# KiCad board ZVE.kicad_pcb (continued)
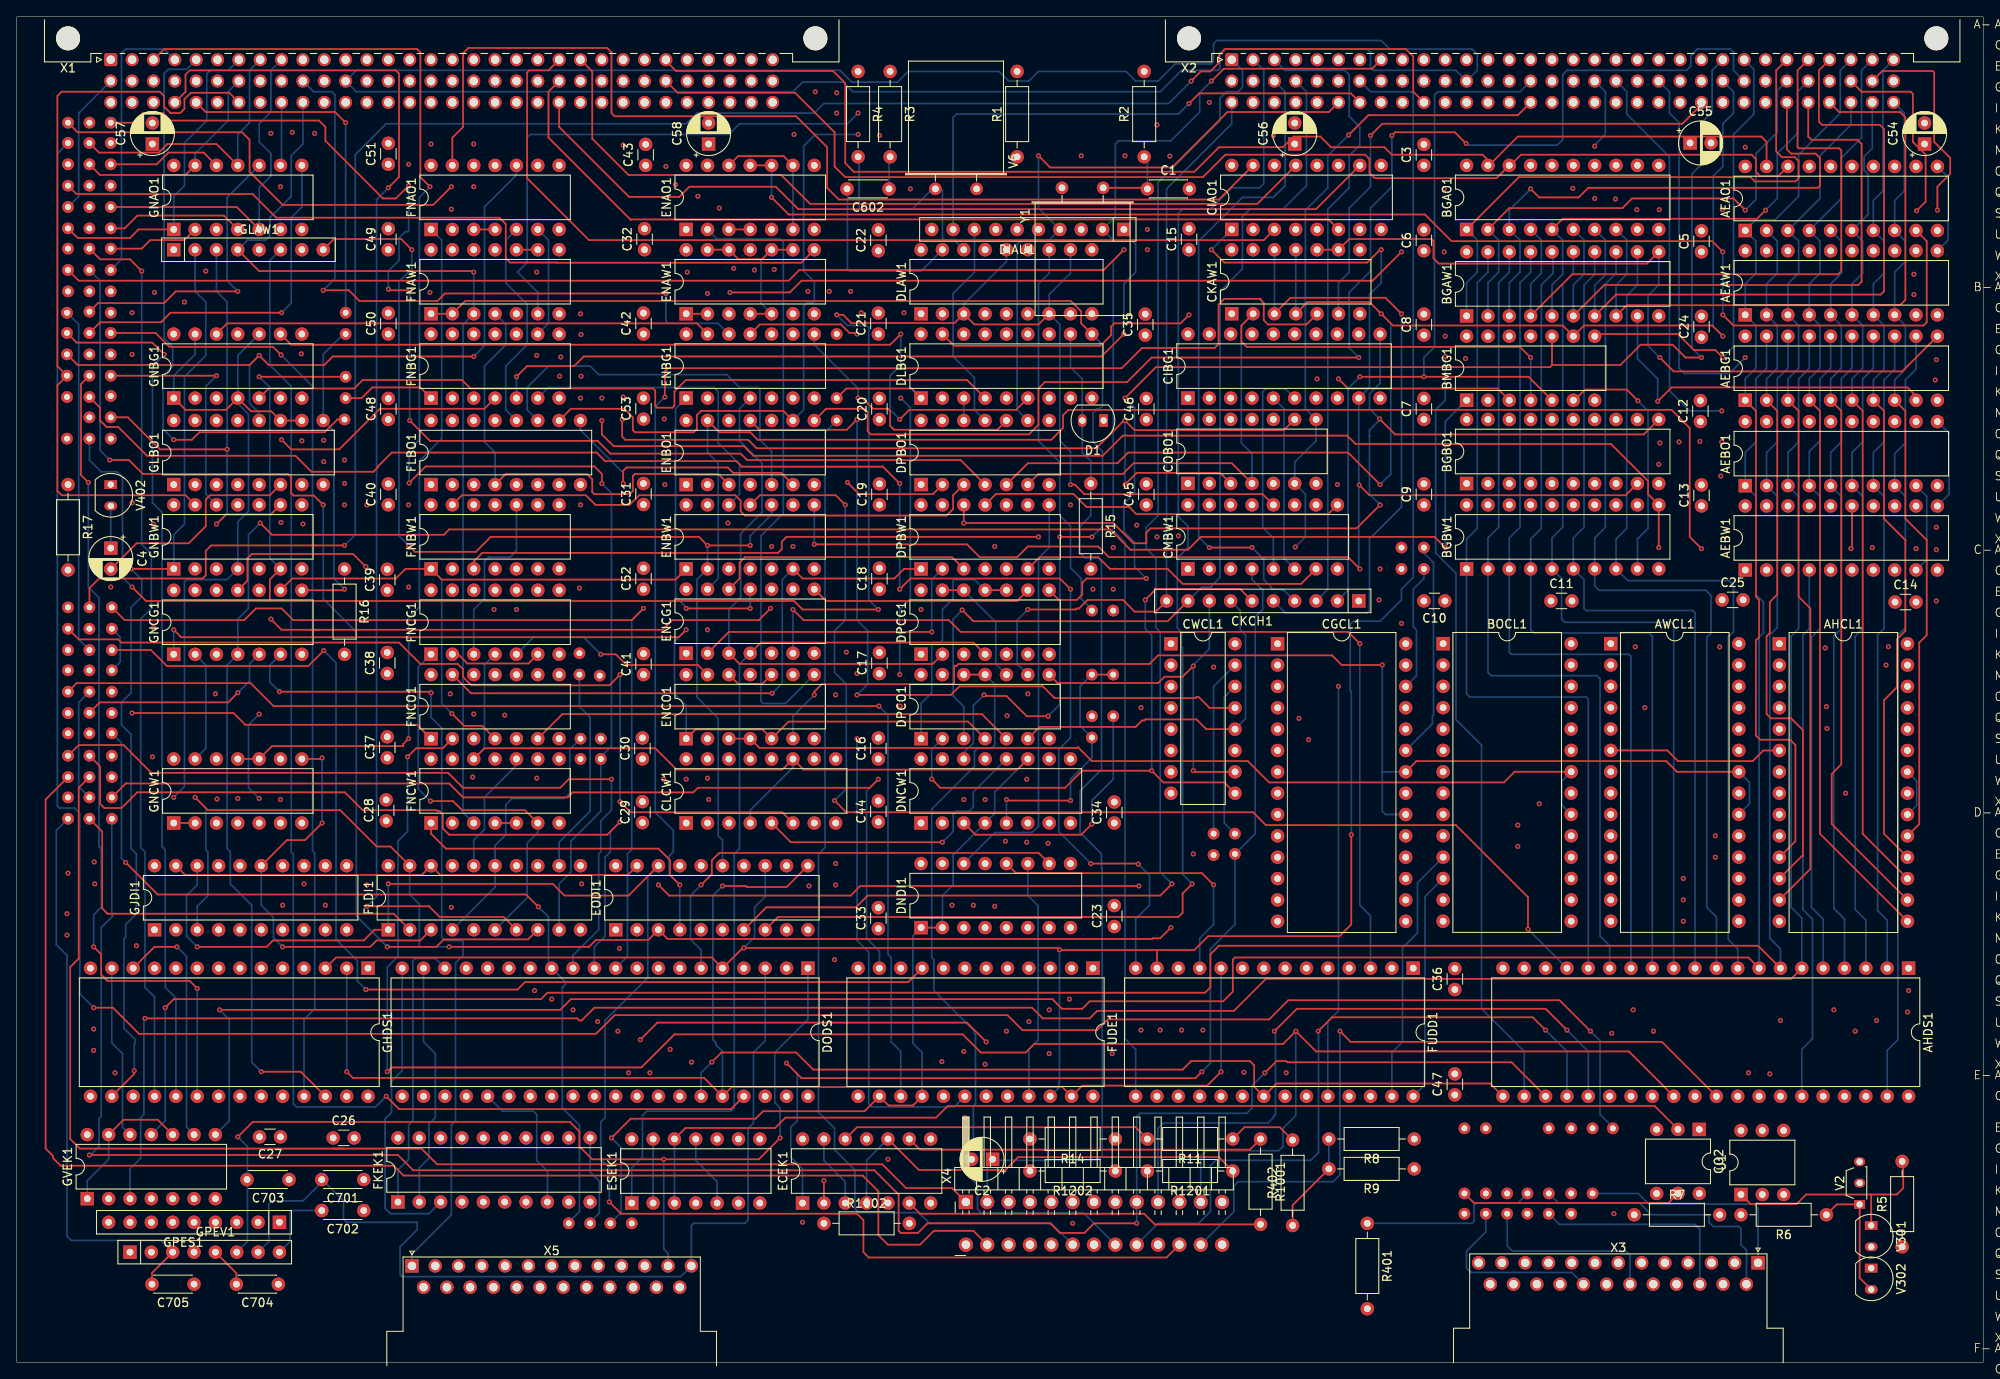
[diagram p0: board, top side]
## Footprints (pads in the part's own frame, mm; a bottom-side part is the same pattern mirrored in y, then rotated)
C_Disc_D3.0mm_W1.6mm_P2.50mm
  round 1.6 hole 0.8: 1(0,0) 2(2.5,0)
C_Disc_D4.3mm_W1.9mm_P5.00mm
  round 1.6 hole 0.8: 1(0,0) 2(5,0)
CP_Radial_D5.0mm_P2.50mm
  rect 1.6x1.6 hole 0.8: 1(0,0)
  round 1.6 hole 0.8: 2(2.5,0)
Crystal_HC18-U_Horizontal
  round 1.5 hole 0.8: 1(0,0) 2(4.9,0)
DIN41612_C_3x32_Male_Horizontal_THT
  round 2.85 hole 2.85 unplated: (-5.08,2.54) (83.82,2.54)
  rrect 1.55x1.55 hole 1: a1(0,0)
  round 1.55 hole 1: a2(2.54,0) a3(5.08,0) a4(7.62,0) a5(10.16,0) a6(12.7,0) a7(15.24,0) a8(17.78,0) a9(20.32,0) a10(22.86,0) a11(25.4,0) a12(27.94,0) a13(30.48,0) a14(33.02,0) a15(35.56,0) a16(38.1,0) a17(40.64,0) a18(43.18,0) a19(45.72,0) a20(48.26,0) a21(50.8,0) a22(53.34,0) a23(55.88,0) a24(58.42,0) a25(60.96,0) a26(63.5,0) a27(66.04,0) a28(68.58,0) a29(71.12,0) a30(73.66,0) a31(76.2,0) a32(78.74,0) b1(0,-2.54) b2(2.54,-2.54) b3(5.08,-2.54) b4(7.62,-2.54) b5(10.16,-2.54) b6(12.7,-2.54) b7(15.24,-2.54) b8(17.78,-2.54) b9(20.32,-2.54) b10(22.86,-2.54) b11(25.4,-2.54) b12(27.94,-2.54) b13(30.48,-2.54) b14(33.02,-2.54) b15(35.56,-2.54) b16(38.1,-2.54) b17(40.64,-2.54) b18(43.18,-2.54) b19(45.72,-2.54) b20(48.26,-2.54) b21(50.8,-2.54) b22(53.34,-2.54) b23(55.88,-2.54) b24(58.42,-2.54) b25(60.96,-2.54) b26(63.5,-2.54) b27(66.04,-2.54) b28(68.58,-2.54) b29(71.12,-2.54) b30(73.66,-2.54) b31(76.2,-2.54) b32(78.74,-2.54) c1(0,-5.08) c2(2.54,-5.08) c3(5.08,-5.08) c4(7.62,-5.08) c5(10.16,-5.08) c6(12.7,-5.08) c7(15.24,-5.08) c8(17.78,-5.08) c9(20.32,-5.08) c10(22.86,-5.08) c11(25.4,-5.08) c12(27.94,-5.08) c13(30.48,-5.08) c14(33.02,-5.08) c15(35.56,-5.08) c16(38.1,-5.08) c17(40.64,-5.08) c18(43.18,-5.08) c19(45.72,-5.08) c20(48.26,-5.08) c21(50.8,-5.08) c22(53.34,-5.08) c23(55.88,-5.08) c24(58.42,-5.08) c25(60.96,-5.08) c26(63.5,-5.08) c27(66.04,-5.08) c28(68.58,-5.08) c29(71.12,-5.08) c30(73.66,-5.08) c31(76.2,-5.08) c32(78.74,-5.08)
DIP-6_W7.62mm
  rect 1.6x1.6 hole 0.8: 1(0,0)
  oval 1.6x1.6 hole 0.8: 2(0,-2.54) 3(0,-5.08) 4(7.62,-5.08) 5(7.62,-2.54) 6(7.62,0)
DIP-14_W7.62mm
  rect 1.6x1.6 hole 0.8: 1(0,0)
  oval 1.6x1.6 hole 0.8: 2(0,-2.54) 3(0,-5.08) 4(0,-7.62) 5(0,-10.16) 6(0,-12.7) 7(0,-15.24) 8(7.62,-15.24) 9(7.62,-12.7) 10(7.62,-10.16) 11(7.62,-7.62) 12(7.62,-5.08) 13(7.62,-2.54) 14(7.62,0)
DIP-16_W7.62mm
  rect 1.6x1.6 hole 0.8: 1(0,0)
  oval 1.6x1.6 hole 0.8: 2(0,-2.54) 3(0,-5.08) 4(0,-7.62) 5(0,-10.16) 6(0,-12.7) 7(0,-15.24) 8(0,-17.78) 9(7.62,-17.78) 10(7.62,-15.24) 11(7.62,-12.7) 12(7.62,-10.16) 13(7.62,-7.62) 14(7.62,-5.08) 15(7.62,-2.54) 16(7.62,0)
DIP-18_W7.62mm
  rect 1.6x1.6 hole 0.8: 1(0,0)
  oval 1.6x1.6 hole 0.8: 2(0,-2.54) 3(0,-5.08) 4(0,-7.62) 5(0,-10.16) 6(0,-12.7) 7(0,-15.24) 8(0,-17.78) 9(0,-20.32) 10(7.62,-20.32) 11(7.62,-17.78) 12(7.62,-15.24) 13(7.62,-12.7) 14(7.62,-10.16) 15(7.62,-7.62) 16(7.62,-5.08) 17(7.62,-2.54) 18(7.62,0)
DIP-20_W7.62mm
  rect 1.6x1.6 hole 0.8: 1(0,0)
  oval 1.6x1.6 hole 0.8: 2(0,-2.54) 3(0,-5.08) 4(0,-7.62) 5(0,-10.16) 6(0,-12.7) 7(0,-15.24) 8(0,-17.78) 9(0,-20.32) 10(0,-22.86) 11(7.62,-22.86) 12(7.62,-20.32) 13(7.62,-17.78) 14(7.62,-15.24) 15(7.62,-12.7) 16(7.62,-10.16) 17(7.62,-7.62) 18(7.62,-5.08) 19(7.62,-2.54) 20(7.62,0)
DIP-24_W15.24mm
  rect 1.6x1.6 hole 0.8: 1(0,0)
  oval 1.6x1.6 hole 0.8: 2(0,-2.54) 3(0,-5.08) 4(0,-7.62) 5(0,-10.16) 6(0,-12.7) 7(0,-15.24) 8(0,-17.78) 9(0,-20.32) 10(0,-22.86) 11(0,-25.4) 12(0,-27.94) 13(15.24,-27.94) 14(15.24,-25.4) 15(15.24,-22.86) 16(15.24,-20.32) 17(15.24,-17.78) 18(15.24,-15.24) 19(15.24,-12.7) 20(15.24,-10.16) 21(15.24,-7.62) 22(15.24,-5.08) 23(15.24,-2.54) 24(15.24,0)
DIP-28_W15.24mm
  rect 1.6x1.6 hole 0.8: 1(0,0)
  oval 1.6x1.6 hole 0.8: 2(0,-2.54) 3(0,-5.08) 4(0,-7.62) 5(0,-10.16) 6(0,-12.7) 7(0,-15.24) 8(0,-17.78) 9(0,-20.32) 10(0,-22.86) 11(0,-25.4) 12(0,-27.94) 13(0,-30.48) 14(0,-33.02) 15(15.24,-33.02) 16(15.24,-30.48) 17(15.24,-27.94) 18(15.24,-25.4) 19(15.24,-22.86) 20(15.24,-20.32) 21(15.24,-17.78) 22(15.24,-15.24) 23(15.24,-12.7) 24(15.24,-10.16) 25(15.24,-7.62) 26(15.24,-5.08) 27(15.24,-2.54) 28(15.24,0)
DIP-40_W15.24mm
  rect 1.6x1.6 hole 0.8: 1(0,0)
  oval 1.6x1.6 hole 0.8: 2(0,-2.54) 3(0,-5.08) 4(0,-7.62) 5(0,-10.16) 6(0,-12.7) 7(0,-15.24) 8(0,-17.78) 9(0,-20.32) 10(0,-22.86) 11(0,-25.4) 12(0,-27.94) 13(0,-30.48) 14(0,-33.02) 15(0,-35.56) 16(0,-38.1) 17(0,-40.64) 18(0,-43.18) 19(0,-45.72) 20(0,-48.26) 21(15.24,-48.26) 22(15.24,-45.72) 23(15.24,-43.18) 24(15.24,-40.64) 25(15.24,-38.1) 26(15.24,-35.56) 27(15.24,-33.02) 28(15.24,-30.48) 29(15.24,-27.94) 30(15.24,-25.4) 31(15.24,-22.86) 32(15.24,-20.32) 33(15.24,-17.78) 34(15.24,-15.24) 35(15.24,-12.7) 36(15.24,-10.16) 37(15.24,-7.62) 38(15.24,-5.08) 39(15.24,-2.54) 40(15.24,0)
DSUB-25_Female_Horizontal_P2.77x2.54mm_EdgePinOffset9.40mm
  rect 1.6x1.6 hole 1: 1(0,0)
  round 1.6 hole 1: 2(-2.77,0) 3(-5.54,0) 4(-8.31,0) 5(-11.08,0) 6(-13.85,0) 7(-16.62,0) 8(-19.39,0) 9(-22.16,0) 10(-24.93,0) 11(-27.7,0) 12(-30.47,0) 13(-33.24,0) 14(-1.385,-2.54) 15(-4.155,-2.54) 16(-6.925,-2.54) 17(-9.695,-2.54) 18(-12.465,-2.54) 19(-15.235,-2.54) 20(-18.005,-2.54) 21(-20.775,-2.54) 22(-23.545,-2.54) 23(-26.315,-2.54) 24(-29.085,-2.54) 25(-31.855,-2.54)
DSUB-25_Male_Horizontal_P2.77x2.54mm_EdgePinOffset9.40mm
  rect 1.6x1.6 hole 1: 1(0,0)
  round 1.6 hole 1: 2(2.77,0) 3(5.54,0) 4(8.31,0) 5(11.08,0) 6(13.85,0) 7(16.62,0) 8(19.39,0) 9(22.16,0) 10(24.93,0) 11(27.7,0) 12(30.47,0) 13(33.24,0) 14(1.385,-2.54) 15(4.155,-2.54) 16(6.925,-2.54) 17(9.695,-2.54) 18(12.465,-2.54) 19(15.235,-2.54) 20(18.005,-2.54) 21(20.775,-2.54) 22(23.545,-2.54) 23(26.315,-2.54) 24(29.085,-2.54) 25(31.855,-2.54)
Pin_D1.0mm_L10.0mm
  round 1.4 hole 0.7: 1(0,0)
PinHeader_2x13_P2.54mm_Horizontal
  oval 1.7x1.7 hole 1: a1(-2.54,0) a2(-2.54,-2.54) a3(-2.54,-5.08) a4(-2.54,-7.62) a5(-2.54,-10.16) a6(-2.54,-12.7) a7(-2.54,-15.24) a8(-2.54,-17.78) a9(-2.54,-20.32) a10(-2.54,-22.86) a11(-2.54,-25.4) a12(-2.54,-27.94) a13(-2.54,-30.48) b2(2.54,-2.54) b3(2.54,-5.08) b4(2.54,-7.62) b5(2.54,-10.16) b6(2.54,-12.7) b7(2.54,-15.24) b8(2.54,-17.78) b9(2.54,-20.32) b10(2.54,-22.86) b11(2.54,-25.4) b12(2.54,-27.94) b13(2.54,-30.48)
  rect 1.7x1.7 hole 1: b1(2.54,0)
R_Array_SIP8
  rect 1.6x1.6 hole 0.8: 1(0,0)
  oval 1.6x1.6 hole 0.8: 2(2.54,0) 3(5.08,0) 4(7.62,0) 5(10.16,0) 6(12.7,0) 7(15.24,0) 8(17.78,0)
R_Array_SIP9
  rect 1.6x1.6 hole 0.8: 1(0,0)
  oval 1.6x1.6 hole 0.8: 2(2.54,0) 3(5.08,0) 4(7.62,0) 5(10.16,0) 6(12.7,0) 7(15.24,0) 8(17.78,0) 9(20.32,0)
R_Array_SIP10
  rect 1.6x1.6 hole 0.8: 1(0,0)
  oval 1.6x1.6 hole 0.8: 2(2.54,0) 3(5.08,0) 4(7.62,0) 5(10.16,0) 6(12.7,0) 7(15.24,0) 8(17.78,0) 9(20.32,0) 10(22.86,0)
R_Axial_DIN0207_L6.3mm_D2.5mm_P10.16mm_Horizontal
  round 1.6 hole 0.8: 1(0,0)
  oval 1.6x1.6 hole 0.8: 2(10.16,0)
TO-92-2
  rect 1.05x1.5 hole 0.75: 1(0,0)
  oval 1.05x1.5 hole 0.75: 2(2.54,0)
TO-92S_Wide
  rect 1.05x1.3 hole 0.75: 1(0,0)
  oval 1.05x1.3 hole 0.75: 2(2.54,0) 3(5.08,0)

## Nets
-ABENC: CKCH1.4 FNAO1.12 X2.b3
-ACK: C705.2 GPEV1.3 X5.10 X933.1
-ADR0: BGBO1.19 X1.a16
-ADR1: BGBO1.18 X1.b16
-ADR2: BGBO1.17 X1.c16
-ADR3: BGBO1.16 X1.a17
-ADR4: BGBO1.15 X1.c17
-ADR5: BGBO1.14 X1.a18
-ADR6: BGBO1.13 X1.b18
-ADR7: BGBO1.12 X1.c18
-ADR8: CIBG1.19 X1.a19
-ADR9: CIBG1.18 X1.b19
-ADR10: CIAO1.3 X1.a22
-ADR11: CIAO1.6 X1.b22
-ADR12: CIAO1.10 X1.c22
-ADR13: CIAO1.13 X1.a23
-ADRA: CIBG1.17 X1.c19
-ADRB: CIBG1.16 X1.a20
-ADRC: CIBG1.15 X1.c20
-ADRD: CIBG1.14 X1.a21
-ADRE: CIBG1.13 X1.b21
-ADRF: CIBG1.12 X1.c21
-ADV-IO-ADR: AEBW1.13 ENBO1.13 ENCG1.13 X4.a3
-ADV-MEM-WRT: EODI1.8 X2.a2
-ALE: ENBW1.1 FNBW1.1 FNCO1.4 GNCG1.9
-ALEC: DIAU1.4 DPBO1.9 X2.c6
-ALES: FNAW1.6 X2.c2
-AUX-RESET: C2.1 D1.2 DLBG1.11 R15.1 X4.b2
-BCLK: FLDI1.5 X1.b1 X837.1
-BHEN: COBO1.3 COBO1.9 X1.b25
-BPRN: FLDI1.9 X1.a3 X737.1
-BPRO: X1.a4 X808.1
-BREQ: FLDI1.7 X1.c4
-BUSY: FLDI1.11 X1.b3
-CBRQ: X1.b4 X734.1
-CCLK: X1.c26 X820.1
-CLK-T4: ENBO1.8 X2.b25
-CS-8259: DNDI1.9 GHDS1.1
-CSC-ADR: BMBG1.5 CKCH1.2 X2.b15
-CSC-DB: DIAU1.8 DPBO1.11 X2.a7
-CTIME: DIAU1.3 FNAO1.9 X4.a5
-DAT0: AEAO1.19 BGAO1.19 X1.a27
-DAT1: AEAO1.18 BGAO1.18 X1.b27
-DAT2: AEAO1.17 BGAO1.17 X1.c27
-DAT3: AEAO1.16 BGAO1.16 X1.a28
-DAT4: AEAO1.15 BGAO1.15 X1.b28
-DAT5: AEAO1.14 BGAO1.14 X1.c28
-DAT6: AEAO1.13 BGAO1.13 X1.a29
-DAT7: AEAO1.12 BGAO1.12 X1.c29
-DAT8: AEAW1.19 X1.a30
-DAT9: AEAW1.18 X1.b30
-DATA: AEAW1.17 X1.c30
-DATB: AEAW1.16 X1.a31
-DATC: AEAW1.15 X1.b31
-DATD: AEAW1.14 X1.c31
-DATE: AEAW1.13 X1.a32
-DATF: AEAW1.12 X1.c32
-DB-CS: AEBG1.9 BGAW1.9 ENBG1.10
-F-INTA-ACK: ENCO1.11 FNBG1.12
-FAULT: C702.2 DODS1.2 GPEV1.8 X5.15
-HIGH: DODS1.38 GLAW1.7 X2.c9
-INIT: FNAW1.3 FNCW1.3 GLAW1.4 X1.c10
-INT0: GNAO1.1 X1.a7 X838.1
-INT1: GNAO1.13 X1.b7 X819.1
-INT2: GNBW1.13 X1.c7 X845.1
-INT3: GNAO1.11 X1.a8 X818.1
-INT4: GNAO1.3 X1.b8 X821.1
-INT5: GNBW1.11 X1.c8 X846.1
-INT6: GNAO1.5 X1.a9 X805.1
-INT7: GNAO1.9 X1.c9 X802.1
-INTA: FNBW1.8 GJDI1.14 X1.c3
-INTA-CYCLE: DPBW1.1 ENBW1.6 FNCO1.13
-IO-RD: DODS1.5 EODI1.13 FUDD1.13 FUDE1.22 GHDS1.3 X2.b7
-IO-WT: DODS1.36 EODI1.11 FUDD1.10 FUDE1.23 GHDS1.2 X2.b10
-IORC: GJDI1.13 X1.c1
-IOWC: GJDI1.11 X1.c2
-LB-ADR: FLDI1.3 GJDI1.15 GNCW1.8
-LB-INTA: BMBG1.1 GHDS1.26 GNCG1.4
-LB-INTA-DEN: ENAO1.2 ENCO1.8 FNBG1.13
-LB-ZPS-ACK: DIAU1.9 FNAO1.2 X2.c7
-LB-ZPS-REQ: BMBG1.10 DPCG1.8 GNCW1.9 X2.a24
-LBC-MCE: ENBW1.4 FNCW1.8 GVEK1.1 GVEK1.10 GVEK1.13
-LOCK: AHDS1.29 FNCO1.2 X4.b12
-LOW: DODS1.37 GLAW1.6 X2.b8
-MBHEN: COBO1.6 COBO1.8 FNBW1.5 X2.c15
-MEM-RD: EODI1.7 X2.a1
-MRDC: GJDI1.7 X1.a1
-MWTC: GJDI1.9 X1.a2
-NMI-DIS: ENBW1.13 X923.1
-NMIOR: FNBG1.2 X816.1
-OVERRIDE: FNCO1.1 GPEV1.2 X906.1
-PFIN: X1.a5 X744.1
-PROM-IO: FNAO1.1 GNCW1.10 GNCW1.11
-PROM-LOCK: CKCH1.3 FNCO1.3 X2.a3
-RDY2C: DIAU1.6 DPBO1.1 X4.b5
-RDYIC: DIAU1.7 DPBO1.13 X4.a7
-RESET: FLDI1.6 FNCG1.1 FNCW1.6
-S0: AEBW1.5 AHDS1.26 ENBO1.1 EODI1.19 FLDI1.18 GJDI1.19 X4.a10
-S1: AEBW1.6 AHDS1.27 ENBO1.2 EODI1.3 FLDI1.19 GJDI1.3 X4.b11
-S2: AEBW1.7 AHDS1.28 EODI1.18 FLDI1.1 GJDI1.18 X4.a11
-SB-AEN: COBO1.1 DLBG1.7 ENBG1.3 ENBW1.9 FNBW1.9 X2.c13
-SB-DA-CS: AEAW1.9 BGAO1.9 ENAO1.8
-SB-MODE-C: BGBO1.11 CIBG1.11 DPBW1.12 ENBO1.12 FNAO1.11
-SB-RAM-DATA: DIAU1.10 ENAO1.5 X2.c8
-SB-RAM-MODE: BMBG1.9 CKAW1.4 CKAW1.11 COBO1.10 DPBO1.5 ENBW1.2 ENBW1.10 EODI1.15 GLAW1.8 X2.b24
-SB-RAM-RD: CKAW1.3 CKAW1.12 CKAW1.13 CKCH1.5 X2.a6
-SBNMI: FNBG1.4 GNBW1.8
-SEL-EFI: DPCO1.11 DPCO1.12 GPEV1.4 X4.a8
-SELECT-INPUT: GNCG1.12 X5.17
-SIL: AEBW1.14 X4.b3
-SOL: AEBW1.15 X4.a4
-STROBE: GNCG1.6 X5.1
-SW-CS: AEAO1.9 ENAO1.10 ENAO1.11
-TEST: AHDS1.23 X4.b9 X911.1
-XACK: ENBG1.12 X1.b10
-ZPS-CS: BMBG1.8 X2.a25
-ZPS-NMI: DIAU1.2 FNBG1.5 X2.a8
-ZPS-PR: CKCH1.10 DPCO1.9 X2.c1
/Blatt 1/-ARLOCK: FLDI1.16 FNCW1.10
/Blatt 1/AD0: AHDS1.16 BGAW1.19 BGBW1.1
/Blatt 1/AD1: AHDS1.15 BGAW1.18 BGBW1.2
/Blatt 1/AD2: AHDS1.14 BGAW1.17 BGBW1.3
/Blatt 1/AD3: AHDS1.13 BGAW1.16 BGBW1.4
/Blatt 1/AD4: AHDS1.12 BGAW1.15 BGBW1.5
/Blatt 1/AD5: AHDS1.11 BGAW1.14 BGBW1.6
/Blatt 1/AD6: AHDS1.10 BGAW1.13 BGBW1.7
/Blatt 1/AD7: AHDS1.9 BGAW1.12 BGBW1.8
/Blatt 1/AD10: AEBW1.1 AHDS1.38
/Blatt 1/AD11: AEBW1.2 AHDS1.37
/Blatt 1/AD12: AEBW1.3 AHDS1.36
/Blatt 1/AD13: AEBW1.4 AHDS1.35
/Blatt 1/BHE/S7: AEBW1.8 AHDS1.34 COBO1.5
/Blatt 1/LBC-DEN: ENBG1.9 EODI1.16
/Blatt 1/LBC-DT/R: CKAW1.5 EODI1.4 FNCW1.1
/Blatt 1/LBC-INTA: ENBW1.5 EODI1.14
/Blatt 1/LBC-MCE: EODI1.17 FNCW1.9
/Blatt 1/SBC-DEN: ENAO1.1 GJDI1.16
/Blatt 2/PC0: DODS1.14 X929.1
/Blatt 2/PC1: DODS1.15 X909.1
/Blatt 2/PC2: DODS1.16 X932.1
/Blatt 2/PC3: DODS1.17 X918.1
/Blatt 2/PC4: DODS1.13 X732.1 X907.1
/Blatt 2/PC5: DODS1.12 X930.1
/Blatt 2/PC6: DODS1.11 X919.1
/Blatt 2/PC7: DODS1.10 X901.1
A: AEAO1.20 AEAW1.20 AEBG1.20 AEBO1.20 AEBW1.20 AHCL1.1 AHCL1.27 AHCL1.28 AWCL1.1 AWCL1.27 AWCL1.28 BGAO1.20 BGAW1.20 BGBO1.20 BGBW1.20 BMBG1.14 BOCL1.1 BOCL1.27 BOCL1.28 C3.1 C5.1 C6.1 C7.1 C8.1 C9.1 C10.1 C11.1 C12.1 C13.1 C14.1 C15.1 C16.1 C17.1 C18.1 C19.1 C20.1 C21.1 C22.1 C23.1 C24.1 C25.1 C26.1 C27.1 C28.1 C29.1 C30.1 C31.1 C32.1 C33.1 C34.1 C35.1 C36.1 C37.1 C38.1 C39.1 C40.1 C41.1 C42.1 C43.1 C44.1 C45.1 C46.1 C47.1 C48.1 C49.1 C50.1 C51.1 C52.1 C53.1 C54.1 C55.1 C56.1 C57.1 C58.1 CGCL1.1 CGCL1.27 CGCL1.28 CIAO1.16 CIBG1.20 CKAW1.14 CKCH1.1 CLCW1.16 CMBW1.16 COBO1.14 CWCL1.16 D1.1 DIAU1.1 DLAW1.18 DLBG1.18 DNCW1.16 DNDI1.16 DODS1.26 DPBO1.14 DPBW1.14 DPCG1.14 DPCO1.14 ECEK1.14 ENAO1.14 ENAW1.14 ENBG1.14 ENBO1.14 ENBW1.14 ENCG1.14 ENCO1.14 EODI1.20 ESEK1.14 FKEK1.20 FLBO1.16 FLDI1.20 FNAO1.14 FNAW1.14 FNBG1.14 FNBW1.14 FNCG1.14 FNCO1.7 FNCW1.14 FUDD1.26 FUDE1.24 GHDS1.28 GJDI1.20 GLAW1.1 GLBO1.16 GNAO1.14 GNBG1.14 GNBW1.14 GNCG1.14 GNCW1.14 GPES1.1 GPEV1.1 GVEK1.14 R14.2 R15.2 R17.2 U1.5 X1.a11 X1.a12 X1.a14 X1.a15 X1.c24 X1.c25 X2.a11 X2.a12 X2.a14 X2.a15 X2.c24 X2.c25
AB0: BGBO1.1 BGBW1.19 BMBG1.2 FNBW1.6 X2.a16
AB1: AHCL1.10 AWCL1.10 BGBO1.2 BGBW1.18 BOCL1.10 CGCL1.10 DODS1.9 FUDD1.12 FUDE1.19 GHDS1.27 X2.b16
AB2: AHCL1.9 AWCL1.9 BGBO1.3 BGBW1.17 BOCL1.9 CGCL1.9 DODS1.8 FUDE1.20 X2.c16
AB3: AHCL1.8 AWCL1.8 BGBO1.4 BGBW1.16 BOCL1.8 CGCL1.8 DNDI1.13 X2.a17
AB4: AHCL1.7 AWCL1.7 BGBO1.5 BGBW1.15 BOCL1.7 CGCL1.7 DNDI1.3 X2.c17
AB5: AHCL1.6 AWCL1.6 BGBO1.6 BGBW1.14 BOCL1.6 CGCL1.6 ENCG1.1 X2.a18
AB6: AHCL1.5 AWCL1.5 BGBO1.7 BGBW1.13 BOCL1.5 CGCL1.5 DPBW1.4 X2.b18
AB7: AHCL1.4 AWCL1.4 BGBO1.8 BGBW1.12 BOCL1.4 CGCL1.4 DPBW1.5 X2.c18
AB8: AEBO1.19 AHCL1.3 AWCL1.3 BOCL1.3 CGCL1.3 CIBG1.1 CMBW1.14 X2.a19
AB9: AEBO1.18 AHCL1.25 AWCL1.25 BOCL1.25 CGCL1.25 CIBG1.2 CMBW1.13 X2.b19
AB10: AEBW1.19 CIAO1.2 CIAO1.4 CWCL1.3 X2.a22
AB11: AEBW1.18 CIAO1.5 CIAO1.7 CWCL1.2 X2.b22
AB12: AEBW1.17 CIAO1.9 CIAO1.11 CWCL1.1 X2.c22
AB13: AEBW1.16 CIAO1.12 CIAO1.14 DPCG1.1 ENCG1.9 FNCO1.5 X2.a23
ABA: AEBO1.17 AHCL1.24 AWCL1.24 BOCL1.24 CGCL1.24 CIBG1.3 CMBW1.11 X2.c19
ABB: AEBO1.16 AHCL1.21 AWCL1.21 BOCL1.21 CGCL1.21 CIBG1.4 CMBW1.10 X2.a20
ABC: AEBO1.15 CIBG1.5 CMBW1.6 CWCL1.5 X2.c20 X717.1
ABD: AEBO1.14 AHCL1.2 AWCL1.2 BOCL1.2 CGCL1.2 CIBG1.6 CMBW1.5 CWCL1.6 X2.a21
ABE: AEBO1.13 CIBG1.7 CMBW1.3 CWCL1.7 X2.b21
ABF: AEBO1.12 CIBG1.8 CMBW1.2 CWCL1.4 X2.c21
AD8: AEBG1.19 AEBO1.1 AHDS1.8 GVEK1.8
AD9: AEBG1.18 AEBO1.2 AHDS1.7 GVEK1.11
ADA: AEBG1.17 AEBO1.3 AHDS1.6 GVEK1.3
ADB: AEBG1.16 AEBO1.4 AHDS1.5
ADC: AEBG1.15 AEBO1.5 AHDS1.4
ADD: AEBG1.14 AEBO1.6 AHDS1.3
ADE: AEBG1.13 AEBO1.7 AHDS1.2
ADF: AEBG1.12 AEBO1.8 AHDS1.39
ADV-IO-ADR: DPBW1.3 ENCG1.12
ALE: AEBO1.11 AEBW1.11 BGBW1.11 FNAW1.5 GLBO1.9 GNCG1.8 X741.1
ALE-X1: X1.c5 X740.1
B: AEAO1.10 AEAW1.10 AEBG1.10 AEBO1.10 AEBW1.10 AHCL1.14 AHDS1.33 AWCL1.14 BGAO1.10 BGAW1.10 BGBO1.10 BGBW1.10 BMBG1.7 BOCL1.14 C2.2 C3.2 C5.2 C6.2 C7.2 C8.2 C9.2 C10.2 C11.2 C12.2 C13.2 C14.2 C15.2 C16.2 C17.2 C18.2 C19.2 C20.2 C21.2 C22.2 C23.2 C24.2 C25.2 C26.2 C27.2 C28.2 C29.2 C30.2 C31.2 C32.2 C33.2 C34.2 C35.2 C36.2 C37.2 C38.2 C39.2 C40.2 C41.2 C42.2 C43.2 C44.2 C45.2 C46.2 C47.2 C48.2 C49.2 C50.2 C51.2 C52.2 C53.2 C54.2 C55.2 C56.2 C57.2 C58.2 C701.1 C702.1 C703.1 C704.1 C705.1 CGCL1.14 CIAO1.8 CIBG1.10 CKAW1.7 CLCW1.1 CLCW1.8 CLCW1.9 CLCW1.10 CLCW1.15 CMBW1.8 COBO1.7 CWCL1.8 DLAW1.1 DLAW1.4 DLAW1.6 DLAW1.9 DLAW1.13 DLBG1.9 DNCW1.1 DNCW1.8 DNCW1.9 DNCW1.10 DNCW1.15 DNDI1.8 DNDI1.15 DODS1.7 DPBO1.7 DPBW1.7 DPCG1.7 DPCO1.7 ECEK1.7 ENAO1.7 ENAW1.7 ENBG1.7 ENBO1.7 ENBW1.7 ENCG1.7 ENCO1.7 EODI1.1 EODI1.6 EODI1.10 ESEK1.7 FKEK1.9 FKEK1.10 FLBO1.8 FLDI1.10 FNAO1.7 FNAW1.7 FNBG1.7 FNBW1.7 FNCG1.7 FNCO1.14 FNCW1.7 FNCW1.13 FUDD1.4 FUDD1.17 FUDE1.12 GHDS1.14 GJDI1.1 GJDI1.10 GLBO1.8 GNAO1.7 GNBG1.7 GNBW1.3 GNBW1.5 GNBW1.7 GNCG1.7 GNCW1.7 GVEK1.7 R1.2 R2.2 R3.1 R4.1 R8.1 R16.1 X1.b2 X1.b6 X1.b9 X1.b13 X1.b17 X1.b20 X1.b23 X1.b26 X1.b29 X1.b32 X2.b2 X2.b6 X2.b9 X2.b13 X2.b17 X2.b20 X2.b23 X2.b26 X2.b29 X2.b32 X4.a1 X4.a13 X5.18 X5.19 X5.20 X5.21 X5.22 X5.23 X5.24 X5.25 X701.1 X703.1 X709.1 X723.1 X726.1 X729.1 X733.1 X736.1 X831.1 X925.1
BRK-INTR: FUDD1.16 X848.1
C-PCI: DLBG1.2 FUDD1.20
CLK-TEST: S1X1.1 X2.c4
CSYN: X4.a6 X728.1
D: ECEK1.5 ESEK1.10 R1201.2 R1202.1 X1.b12 X1.c12 X2.b12 X2.c12 X718.1
DB0: BGAO1.1 BGAW1.1 BOCL1.11 CGCL1.11 DODS1.34 FUDD1.27 FUDE1.8 GHDS1.11 X2.a27
DB1: BGAO1.2 BGAW1.2 BOCL1.12 CGCL1.12 DODS1.33 FUDD1.28 FUDE1.7 GHDS1.10 X2.b27
DB2: BGAO1.3 BGAW1.3 BOCL1.13 CGCL1.13 DODS1.32 FUDD1.1 FUDE1.6 GHDS1.9 X2.c27
DB3: BGAO1.4 BGAW1.4 BOCL1.15 CGCL1.15 DODS1.31 FUDD1.2 FUDE1.5 GHDS1.8 X2.a28
DB4: BGAO1.5 BGAW1.5 BOCL1.16 CGCL1.16 DODS1.30 FUDD1.5 FUDE1.4 GHDS1.7 X2.b28
DB5: BGAO1.6 BGAW1.6 BOCL1.17 CGCL1.17 DODS1.29 FUDD1.6 FUDE1.3 GHDS1.6 X2.c28
DB6: BGAO1.7 BGAW1.7 BOCL1.18 CGCL1.18 DODS1.28 FUDD1.7 FUDE1.2 GHDS1.5 X2.a29
DB7: BGAO1.8 BGAW1.8 BOCL1.19 CGCL1.19 DODS1.27 FUDD1.8 FUDE1.1 GHDS1.4 X2.c29
DB8: AEAO1.1 AEAW1.1 AEBG1.1 AHCL1.11 AWCL1.11 X2.a30
DB9: AEAO1.2 AEAW1.2 AEBG1.2 AHCL1.12 AWCL1.12 X2.b30
DB-DIR: AEBG1.11 BGAW1.11 CKAW1.9 CKAW1.10 FNCW1.2
DBA: AEAO1.3 AEAW1.3 AEBG1.3 AHCL1.13 AWCL1.13 X2.c30
DBB: AEAO1.4 AEAW1.4 AEBG1.4 AHCL1.15 AWCL1.15 X2.a31
DBC: AEAO1.5 AEAW1.5 AEBG1.5 AHCL1.16 AWCL1.16 X2.b31
DBD: AEAO1.6 AEAW1.6 AEBG1.6 AHCL1.17 AWCL1.17 X2.c31
DBE: AEAO1.7 AEAW1.7 AEBG1.7 AHCL1.18 AWCL1.18 X2.a32
DBF: AEAO1.8 AEAW1.8 AEBG1.8 AHCL1.19 AWCL1.19 X2.c32
ED-X13: W101A1.1 X3.13
ED-X14: X3.14 X707.1
ED-X16: X3.16 X708.1
ED-X24: X3.24 X705.1
EFI: DIAU1.5 DLBG1.14 X4.b6
H1: CMBW1.4 CMBW1.12 DLAW1.3 DLAW1.7 DLAW1.11 DLAW1.14 ECEK1.1 GNBW1.6 X721.1 X742.1 X832.1
H2: CLCW1.4 CLCW1.11 DNCW1.4 DNCW1.11 DNDI1.1 DNDI1.2 FNCG1.4 FNCW1.12 FUDE1.14 FUDE1.16 X730.1
H3: FLDI1.2 FLDI1.4 FLDI1.15 GLBO1.10 GLBO1.11 GNBG1.1 GNBG1.4 GNBG1.10 GNBG1.13 GNBW1.4 X738.1 X922.1
INIT: CLCW1.14 DLBG1.10 DNCW1.14 FNAW1.1 FNAW1.2
INTR: AHDS1.18 GHDS1.17
MINT: X834.1 X10000.1
NMI-MASK: X2.c10 X912.1
OSC: DLBG1.12 X2.a5
PB-INTR: X809.1 X928.1
PBUSY: C704.2 DODS1.4 GPEV1.5 X5.11
PDAT1: FKEK1.19 GPES1.9 X5.2
PDAT2: FKEK1.18 GPES1.8 X5.3
PDAT3: FKEK1.17 GPES1.7 X5.4
PDAT4: FKEK1.16 GPES1.6 X5.5
PDAT5: FKEK1.15 GPES1.5 X5.6
PDAT6: FKEK1.14 GPES1.4 X5.7
PDAT7: FKEK1.13 GPES1.3 X5.8
PDAT8: FKEK1.12 GPES1.2 X5.9
PE: C703.2 DODS1.1 GPEV1.6 X5.12
QS0: AHDS1.25 X4.b10
QS1: AHDS1.24 X4.a9
READY: AHDS1.22 DLBG1.5 X2.c5
RESET: AHDS1.21 DODS1.35 FNCW1.4 FNCW1.5 FUDD1.21
RQ/GTO: AHDS1.31 X4.a12
SB-DA-DIR: AEAO1.11 AEAW1.11 BGAO1.11 CKAW1.8
SB-INTR-OUT: FNAW1.9 FNAW1.10 X908.1
SD-X10: X3.10 X710.1
SD-X12: X3.12 X714.1
SD-X19: W102B1.1 X3.19
SD-X21: X3.21 X711.1
SELECT: C701.2 DODS1.3 GPEV1.7 X5.13
SET-DC-OFF: X4.a2 X931.1
SI-RX-INT: FUDD1.14 X830.1
SI-TX-INT: FUDD1.15 X840.1
T4: ENBO1.9 FLBO1.10 X2.c3
TIME-OUT: FNAO1.10 GLBO1.12 X844.1
TMR0-INTR: FUDE1.10 X842.1 X914.1
TMR1-INTR: FUDE1.13 X841.1
TONE: X4.b1 X920.1
ZPS-DIR: CKAW1.6 X2.c23
ZPS-INTR: X839.1
ZPS-LOCK: CKCH1.9 DPCO1.3 X2.b4
Net-(AEBO1-CS): AEBO1.9 AEBW1.9 BGBW1.9 BMBG1.6
Net-(AHCL1-A11): AHCL1.23 AWCL1.23 BOCL1.23 CGCL1.23 X715.1
Net-(AHCL1-CS): AHCL1.20 AHCL1.22 BOCL1.20 BOCL1.22 ENCO1.3 ENCO1.4
Net-(AHCL1-NC): AHCL1.26 AWCL1.26 BOCL1.26 CGCL1.26 X716.1
Net-(AHDS1-C): AHDS1.19 DLBG1.8 ENBO1.4 ENBO1.10 EODI1.2 FLDI1.17 GJDI1.2 GNBG1.3 GNBG1.11
Net-(AHDS1-NMI): AHDS1.17 ENBW1.11
Net-(AWCL1-CS): AWCL1.20 AWCL1.22 CGCL1.20 CGCL1.22 ENCO1.6
Net-(BGBO1-CS): BGBO1.9 CIAO1.1 CIBG1.9 ENBW1.8
Net-(BMBG1-Pad3): BMBG1.3 ENAO1.13
Net-(C1-Pad1): C1.1 R2.1 Y1.2
Net-(C602-Pad1): C602.1 R3.2 V6.1
Net-(CIAO1-DIEN): BMBG1.4 CIAO1.15 CKAW1.1 CKAW1.2 COBO1.4 DPBO1.6 FNAO1.13
Net-(CKCH1E-R5.2): CKCH1.6 CWCL1.9 DPCO1.2
Net-(CKCH1F-R6.2): CKCH1.7 CWCL1.12 DPCO1.6
Net-(CKCH1G-R7.2): CKCH1.8 CWCL1.10 DPCO1.8
Net-(CLCW1-3): CLCW1.6 X924.1
Net-(CLCW1-T1): CLCW1.5 DNCW1.12
Net-(CMBW1-Pad7): CMBW1.7 DPBW1.6
Net-(CMBW1-Pad9): CMBW1.9 DPBW1.11
Net-(CO2-Pad1): CO2.1 R14.1
Net-(CO2-Pad6): CO2.6 R7.2
Net-(COBO1A-D): COBO1.2 GNCG1.10
Net-(CWCL1-A7): CWCL1.15 X722.1
Net-(CWCL1-A8): CWCL1.14 X720.1
Net-(CWCL1-CS): CWCL1.13 ENBO1.11
Net-(CWCL1-D1): CWCL1.11 ENCO1.2
Net-(DLAW1-OSC): DLAW1.12 S1X3.1
Net-(DLAW1-X1): C602.2 DLAW1.17
Net-(DLAW1-X2): DLAW1.16 R4.2 V6.2
Net-(DLBG1-AEN1): DLBG1.3 DPBO1.12
Net-(DLBG1-CSYN): DLBG1.1 X727.1
Net-(DLBG1-DRY1): DLBG1.4 GNBG1.5
Net-(DLBG1-DRY2): DLBG1.6 GNBG1.9
Net-(DLBG1-F/C): DLBG1.13 DPCO1.13
Net-(DLBG1-X1): C1.2 DLBG1.17
Net-(DLBG1-X2): DLBG1.16 R1.1 Y1.1
Net-(DNCW1-1): DNCW1.3 W103C1.1
Net-(DNCW1-3): DNCW1.6 X904.1 X912a1.1
Net-(DNCW1-4): DNCW1.7 X913.1
Net-(DNCW1-T1): DNCW1.5 W103A1.1 XS1X2.1 XS1X4.1
Net-(DNDI1-22): DNDI1.10 DODS1.6
Net-(DNDI1-23): DNDI1.11 FUDE1.21
Net-(DNDI1-24): DNDI1.12 FUDD1.11
Net-(DNDI1-V2): DNDI1.14 DPBW1.8 GNCW1.12
Net-(DODS1-PB0): DODS1.18 FKEK1.1
Net-(DODS1-PB1): DODS1.19 FKEK1.2
Net-(DODS1-PB2): DODS1.20 FKEK1.3
Net-(DODS1-PB3): DODS1.21 FKEK1.4
Net-(DODS1-PB4): DODS1.22 FKEK1.5
Net-(DODS1-PB5): DODS1.23 FKEK1.6
Net-(DODS1-PB6): DODS1.24 FKEK1.7
Net-(DODS1-PB7): DODS1.25 FKEK1.8
Net-(DPBO1-Pad2): DPBO1.2 ENBG1.11
Net-(DPBO1-Pad3): DPBO1.3 FNBW1.13
Net-(DPBO1-Pad8): DPBO1.8 FNBW1.3
Net-(DPBO1-Pad10): DPBO1.10 ENBG1.8
Net-(DPBW1-Pad2): DPBW1.2 ENCG1.2
Net-(DPCG1-Pad2): DPCG1.2 ENBG1.4 ENCG1.3
Net-(DPCG1-Pad6): DPCG1.6 ENCG1.5
Net-(DPCG1-Pad9): DPCG1.9 ENCG1.8
Net-(DPCG1-Pad10): DPCG1.10 DPCG1.11 DPCO1.1
Net-(DPCG1-Pad12): DPCG1.12 DPCG1.13 DPCO1.10
Net-(DPCO1-Pad4): DPCO1.4 ENCO1.1 ENCO1.5 GNCG1.1
Net-(DPCO1-Pad5): DPCO1.5 FNCO1.6
Net-(ECEK1A-1A): ECEK1.2 R11.1 R402.2
Net-(ECEK1A-1B): ECEK1.4 ECEK1.10 R1201.1
Net-(ECEK1A-1E): ECEK1.6 ECEK1.11 R1001.2
Net-(ECEK1A-1Y): ECEK1.3 ECEK1.13
Net-(ECEK1A-2E): ECEK1.9 R1001.1 X706.1
Net-(ECEK1A-2Y): DPCG1.5 ECEK1.12 R11.2
Net-(ENAO1-Pad3): ENAO1.3 ENAO1.4
Net-(ENAO1-Pad12): ENAO1.6 ENAO1.9 ENAO1.12
Net-(ENAW1-Pad1): ENAW1.1 ENAW1.2 ENAW1.4 ENAW1.5 ENAW1.9 ENAW1.10 ENAW1.12 ENAW1.13 GNCW1.3
Net-(ENBG1-Pad1): ENBG1.1 ENCG1.11
Net-(ENBG1-Pad13): ENBG1.13 GNBG1.12
Net-(ENBO1-Pad5): ENBO1.5 FLBO1.11
Net-(ENBW1-Pad12): ENBW1.12 FNBG1.6
Net-(ENCO1-Pad9): ENCO1.9 GNBW1.2
Net-(ENCO1-Pad10): ENCO1.10 ENCO1.12 FNBW1.10 FNCG1.3 GNCG1.3
Net-(ENCO1-Pad13): ENCO1.13 FNCG1.5
Net-(EODI1-ALE): EODI1.5 FNBW1.2
Net-(ESEK1A-1A): DPCG1.3 ESEK1.2 ESEK1.13 FUDD1.19
Net-(ESEK1A-1B): ESEK1.4 ESEK1.9 R1002.1
Net-(ESEK1A-1C): ESEK1.5 ESEK1.11 R1202.2
Net-(ESEK1A-1E): ESEK1.6 R1002.2 X712.1
Net-(ESEK1A-1Y): CO2.2 ESEK1.3 ESEK1.12
Net-(ESEK1A-G): DPCG1.4 ENCG1.4 ESEK1.1
Net-(FKEK1-DIR): FKEK1.11 GNCG1.13 X731.1
Net-(FLBO1-C): ENBO1.6 FLBO1.9
Net-(FLBO1-D1): ENBO1.3 FLBO1.4 FNAW1.4
Net-(FLBO1-D2): FLBO1.2 FLBO1.5
Net-(FLBO1-D3): FLBO1.7 FLBO1.12 FNAO1.5
Net-(FLBO1-F1): ENBG1.2
Net-(FLBO1-R): ENBW1.3
Net-(FLDI1-ANYRQ): FLDI1.14 X739.1
Net-(FLDI1-BPRO): FLDI1.8 X824.1
Net-(FLDI1-CBRQ): FLDI1.12 X735.1
Net-(FNAO1-Pad3): FNAO1.3 FNAO1.4
Net-(FNAO1-Pad6): FNAO1.6 FNBG1.9
Net-(FNAO1-Pad8): FNAO1.8 FNBG1.10
Net-(FNBG1-Pad8): FNBG1.8 GNBG1.2
Net-(FNBW1-Pad4): FNBW1.4 GNCG1.11
Net-(FNCG1-Pad2): FNCG1.2 FNCG1.6
Net-(FNCO1-Pad12): FNCO1.12 FNCW1.11
Net-(FUDD1-DTR): ENBG1.6 FUDD1.24
Net-(FUDD1-RTS): ENBG1.5 FUDD1.23
Net-(FUDD1-RxC): FUDD1.9 FUDD1.25 FUDE1.17
Net-(FUDD1-RxD): ENCG1.6 FUDD1.3
Net-(FUDE1-C0): FUDE1.9 X903.1
Net-(FUDE1-C1): FUDE1.15 X927.1
Net-(FUDE1-C2): FUDE1.18 X905.1
Net-(FUDE1-G0): FUDE1.11 X910.1
Net-(GHDS1-CAS0): GHDS1.12 GVEK1.9
Net-(GHDS1-CAS1): GHDS1.13 GVEK1.12
Net-(GHDS1-CAS2): GHDS1.15 GVEK1.2
Net-(GHDS1-IR0): GHDS1.18 X823.1
Net-(GHDS1-IR1): GHDS1.19 X843.1
Net-(GHDS1-IR2): GHDS1.20 X829.1
Net-(GHDS1-IR3): GHDS1.21 X810.1
Net-(GHDS1-IR4): GHDS1.22 X825.1
Net-(GHDS1-IR5): GHDS1.23 X828.1
Net-(GHDS1-IR6): GHDS1.24 X814.1
Net-(GHDS1-IR7): GHDS1.25 X811.1
Net-(GHDS1-SP/EN): GHDS1.16 GLAW1.2 GNBW1.1
Net-(GJDI1-AEN): ENCG1.10 GJDI1.6
Net-(GLAW1B-R2.2): GLAW1.3 GNBW1.9 X815.1
Net-(GLBO1B-C): C4.2 GLBO1.6
Net-(GLBO1B-RL): GLBO1.7 V402.1
Net-(GNCG1-Pad2): GNCG1.2 GNCW1.13
Net-(R9-Pad1): R9.1 U1.6
Net-(R402-Pad1): R8.2 R9.2 R402.1 U1.4
Net-(V2-B): CO2.4 R6.2 R7.1 V2.2
Net-(V2-C): CO2.5 V2.3 V302.1 X713.1
Net-(V2-E): R6.1 V2.1 V302.2 W102A1.1
Net-(V301-A): R401.2 U1.2 V301.2 X704.1
Net-(V301-K): R5.2 U1.1 V301.1
Net-(V402-A): C4.1 R17.1 V402.2
Net-(W101B1-Pin_1): R5.1 R401.1 W101B1.1
Net-(W103B1-Pin_1): GNCW1.1 GNCW1.2 W103B1.1
Net-(X702-Pin_1): X3.1 X702.1
Net-(X743-Pin_1): FNBG1.1 X743.1
Net-(X801-Pin_1): DPBO1.4 X801.1
Net-(X803-Pin_1): GNAO1.12 X803.1
Net-(X804-Pin_1): ENAW1.6 X804.1
Net-(X806-Pin_1): GNAO1.4 X806.1
Net-(X807-Pin_1): GNAO1.2 X807.1
Net-(X812-Pin_1): GNBW1.10 X812.1
Net-(X813-Pin_1): GNBW1.12 X813.1
Net-(X817-Pin_1): FNBW1.11 X817.1
Net-(X822-Pin_1): FNAW1.8 X822.1
Net-(X826-Pin_1): GNAO1.10 X826.1
Net-(X827-Pin_1): GNAO1.8 X827.1
Net-(X833-Pin_1): FNBW1.12 X833.1
Net-(X835-Pin_1): GNAO1.6 X835.1
Net-(X836-Pin_1): ENAW1.8 X836.1
Net-(X915-Pin_1): DNCW1.2 X915.1
Net-(X916-Pin_1): X916.1 X921.1
Net-(X917-Pin_1): GNCG1.5 R16.2 X917.1
Net-(X926-Pin_1): CLCW1.2 X926.1

Pads without a net: AEBW1 12; AHDS1 1 20 30 32 40; BMBG1 11 12 13; CLCW1 3 7 12 13; CMBW1 1 15; CO2 3; COBO1 11 12 13; DLAW1 2 5 8 10 15; DLBG1 15; DNCW1 13; DNDI1 4 5 6 7; DODS1 39 40; DPBW1 9 10 13; ECEK1 8; ENAW1 3 11; EODI1 9 12; ESEK1 8; FLBO1 1 3 6 13 14 15; FLDI1 13; FNAW1 11 12 13; FNBG1 3 11; FNCG1 8 9 10 11 12 13; FNCO1 8 9 10 11; FUDD1 18 22; GJDI1 4 5 8 12 17; GLAW1 5; GLBO1 1 2 3 4 5 13 14 15; GNBG1 6 8; GNCW1 4 5 6; GVEK1 4 5 6; U1 3; X1 a6 a10 a13 a24 a25 a26 b5 b11 b14 b15 b24 c6 c11 c13 c14 c15 c23; X2 a4 a9 a10 a13 a26 b1 b5 b11 b14 c11 c14 c26; X3 2 3 4 5 6 7 8 9 11 15 17 18 20 22 23 25; X4 b4 b7 b8 b13; X5 14 16

## Via types
v1: diameter 0.6, hole 0.3, Top to Bottom, 463 vias

## Routing (per net, layer and track width the routed paths; a pad name or vN(x,y) marks a point on that pad's centre or on a via; arc(x,y) is an arc through that point)
-ABENC: length 188.9
  Top w0.2: v1(141.86,96.91) v1(146.94,96.91)
  In4.Cu w0.2: 54.36,142.44 58.17,146.25 58.17,155.97 59.18,156.98 90.93,156.98 91.19,156.73 91.19,154.44 91.69,153.93 98.04,153.93 98.42,154.31 98.42,154.57 98.68,154.82 135.13,154.82 135.25,154.7 135.25,153.81 135.51,153.55 148.46,153.55 X2.b3
  Bottom w0.2: v1(141.86,96.91) 140.59,98.18 140.59,133.36 145.8,138.57 149.48,138.57 150.88,139.96 150.88,151.14 X2.b3 ; v1(146.94,96.91) 148.34,95.51 148.34,93.1 149.23,92.21 149.23,92.08 149.35,91.96 150.37,91.96 150.5,91.83 150.75,91.83 CKCH1.4
-ACK: length 134.7
  Top w0.2: GPEV1.3 16.08,10.63 C705.2
  In4.Cu w0.2: GPEV1.3 20.07,11.57 26.92,11.57 27.3,11.19 27.3,5.72 27.81,5.22 71.37,5.22 71.94,5.78 X5.10
  Bottom w0.2: X933.1 4.7,63.26 4.7,49.67 5.97,48.4 5.97,15 6.48,14.49 17.14,14.49 GPEV1.3
-ADR0: length 203.4
  In1.Cu w0.2: v1(33.91,109.61) 35.18,110.88 35.18,128.28 37.97,131.07 37.97,133.36 36.58,134.76 36.58,147.08 35.31,148.35 35.31,153.43 35.56,153.68 48.01,153.68 X1.a16
  In4.Cu w0.2: v1(33.91,109.61) 35.05,110.75 173.61,110.75 BGBO1.19
-ADR1: length 197
  In1.Cu w0.2: v1(36.51,109.67) 37.85,111.01 37.85,125.87 39.12,127.14 39.12,144.41 37.85,145.68 37.85,151.01 38.1,151.27 48.13,151.27 X1.b16
  In4.Cu w0.2: v1(36.51,109.67) 36.96,110.12 175.51,110.12 BGBO1.18
-ADR2: length 198.1
  In1.Cu w0.2: v1(36.51,107.13) 40.26,110.88 40.26,148.47 40.51,148.73 48.13,148.73 X1.c16
  In4.Cu w0.2: BGBO1.17 177.42,109.48 38.86,109.48 v1(36.51,107.13)
-ADR3: length 203.9
  In1.Cu w0.2: X1.a17 50.55,153.68 50.55,149.49 49.28,148.22 41.02,148.22 40.77,147.96 40.77,109.1 v1(38.99,107.32)
  In4.Cu w0.2: v1(38.99,107.32) 38.99,108.09 39.75,108.85 179.32,108.85 BGBO1.16
-ADR4: length 205.8
  In1.Cu w0.2: v1(38.99,104.53) 41.28,106.82 41.28,147.46 41.53,147.71 49.71,147.71 51.82,149.81
  In4.Cu w0.2: v1(38.99,104.53) 40.39,105.93 40.39,107.83 40.77,108.21 181.23,108.21 BGBO1.15
-ADR5: length 219.3
  In1.Cu w0.2: X1.a18 53.09,153.68 53.09,149.11 51.18,147.2 42.16,147.2 41.78,146.82 41.78,104.78 v1(38.99,101.99)
  In4.Cu w0.2: v1(38.99,101.99) 41.15,104.15 41.15,107.2 41.53,107.58 183.13,107.58 BGBO1.14
-ADR6: length 214.4
  In1.Cu w0.2: v1(41.66,101.99) 42.29,102.63 42.29,143.52 42.55,143.77 48.13,143.77 v1(49.28,144.92)
  In4.Cu w0.2: X1.b18 53.09,151.14 53.09,148.73 v1(49.28,144.92) ; BGBO1.13 185.04,106.94 42.04,106.94 41.66,106.56 v1(41.66,101.99)
-ADR7: length 203
  In1.Cu w0.2: X1.c18 54.36,147.46 50.42,143.52 50.42,138.06 47.88,135.52 47.88,103.26 v1(46.61,101.99)
  In4.Cu w0.2: v1(46.61,101.99) 48.01,103.39 48.01,105.93 48.39,106.31 186.94,106.31 BGBO1.12
-ADR8: length 118.2
  In1.Cu w0.2: X1.a19 55.63,153.68 55.63,145.81 56.9,144.54 66.67,144.54 67.06,144.15 v1(67.06,124.72)
  In4.Cu w0.2: v1(67.06,124.72) 70.87,120.91 140.46,120.91 CIBG1.19
-ADR9: length 121.2
  In1.Cu w0.2: v1(54.36,144.92) 55.5,143.77 65.41,143.77 65.79,143.39 65.79,123.58 v1(67.12,122.25)
  In4.Cu w0.2: CIBG1.18 142.37,120.28 69.09,120.28 v1(67.12,122.25) ; v1(54.36,144.92) 55.63,146.19 55.63,151.14 X1.b19
-ADR10: length 109.5
  Top w0.2: CIAO1.3 148.34,133.49 68.07,133.49 60.71,140.85 60.71,153.43 60.96,153.68 63.25,153.68 X1.a22
-ADR11: length 105.8
  Top w0.2: X1.b22 63.25,151.14 63.25,145.68 73.03,135.9 73.07,135.94 156.04,135.94 CIAO1.6
-ADR12: length 105.4
  Top w0.2: X1.c22 64.52,146.95 72.83,138.63 78.8,138.63 80.01,139.84 90.3,139.84 92.96,137.17 154.56,137.17 CIAO1.10
-ADR13: length 98.8
  Top w0.2: X1.a23 68.45,153.55 68.45,145.55 72.77,141.23 90.93,141.23 94.36,137.8 147.57,137.8 CIAO1.13
-ADRA: length 125.9
  In1.Cu w0.2: v1(64.71,119.58) 65.85,119.58 67.82,121.55 67.82,144.66 67.31,145.17 57.4,145.17 56.9,145.68 X1.c19
  In4.Cu w0.2: v1(64.71,119.58) 64.77,119.64 144.27,119.64 CIBG1.17
-ADRB: length 136.6
  In1.Cu w0.2: X1.a20 58.17,153.68 58.17,146.57 58.93,145.81 68.2,145.81 68.58,145.42 68.58,121.29 v1(64.58,117.29)
  In4.Cu w0.2: v1(64.58,117.29) 66.42,119.14 146.3,119.14 CIBG1.16
-ADRC: length 129.8
  In1.Cu w0.2: X1.c20 59.44,146.95 59.94,146.44 68.9,146.44 69.34,146 69.34,119.52 v1(67.12,117.29)
  In4.Cu w0.2: v1(67.12,117.29) 68.33,118.5 148.21,118.5 CIBG1.15
-ADRD: length 141.6
  In1.Cu w0.2: v1(67.06,114.69) 70.1,117.74 70.1,146.82 69.72,147.2 61.21,147.2 60.71,147.71 60.71,153.68 X1.a21
  In4.Cu w0.2: v1(67.06,114.69) 70.23,117.87 150.11,117.87 CIBG1.14
-ADRE: length 138.6
  In1.Cu w0.2: v1(69.6,114.69) 70.87,115.96 70.87,143.52 v1(72.14,144.79)
  In4.Cu w0.2: CIBG1.13 155.7,120.91 154.94,120.91 151.26,117.23 72.14,117.23 v1(69.6,114.69) ; X1.b21 63.25,151.14 63.25,145.17 63.63,144.79 v1(72.14,144.79)
-ADRF: length 136.2
  In1.Cu w0.2: X1.c21 61.98,148.35 62.36,147.96 70.99,147.96 73.15,145.81 73.15,144.28 71.63,142.76 71.63,115.33 v1(72.14,114.82)
  In4.Cu w0.2: CIBG1.12 156.97,119.64 154.69,119.64 151.64,116.6 73.91,116.6 v1(72.14,114.82)
-ADV-IO-ADR: length 290.4
  Top w0.2: v1(200.41,96.78) 199.01,98.18 199.01,111.13 196.85,113.29 125.09,113.29 124.46,112.66 124.46,111.13 123.06,109.74 88.14,109.74 87.25,110.63 83.57,110.63 ENBO1.13
  In1.Cu w0.2: v1(93.47,16.65) 94.74,17.92 94.74,28.58 92.84,30.49 92.84,52.59 91.06,52.59 85.22,58.43 85.22,61.99 85.85,62.62 85.85,88.27 82.17,91.96
  In4.Cu w0.2: AEBW1.13 222,100.47 216.28,100.47 213.23,97.42 201.04,97.42 v1(200.41,96.78) ; v1(93.47,16.65) 94.87,15.25 116.71,15.25 X4.a3
  Bottom w0.2: 82.17,91.96 83.44,93.23 83.44,106.94 82.17,108.21 ENBO1.13
-ADV-MEM-WRT: length 162.8
  Top w0.2: EODI1.8 90.55,52.97 138.18,52.97 138.68,53.48 138.68,55.76 v1(139.83,56.91)
  Bottom w0.2: v1(139.83,56.91) 138.68,58.05 138.68,84.97 138.56,85.1 138.56,86.88 138.05,87.39 138.05,95.64 139.32,96.91 139.32,99.45 138.18,100.59 138.18,136.66 138.68,137.17 141.99,137.17 144.53,139.71 147.83,139.71 148.34,140.22 148.34,153.68 X2.a2
